# KiCad board badge.kicad_pcb
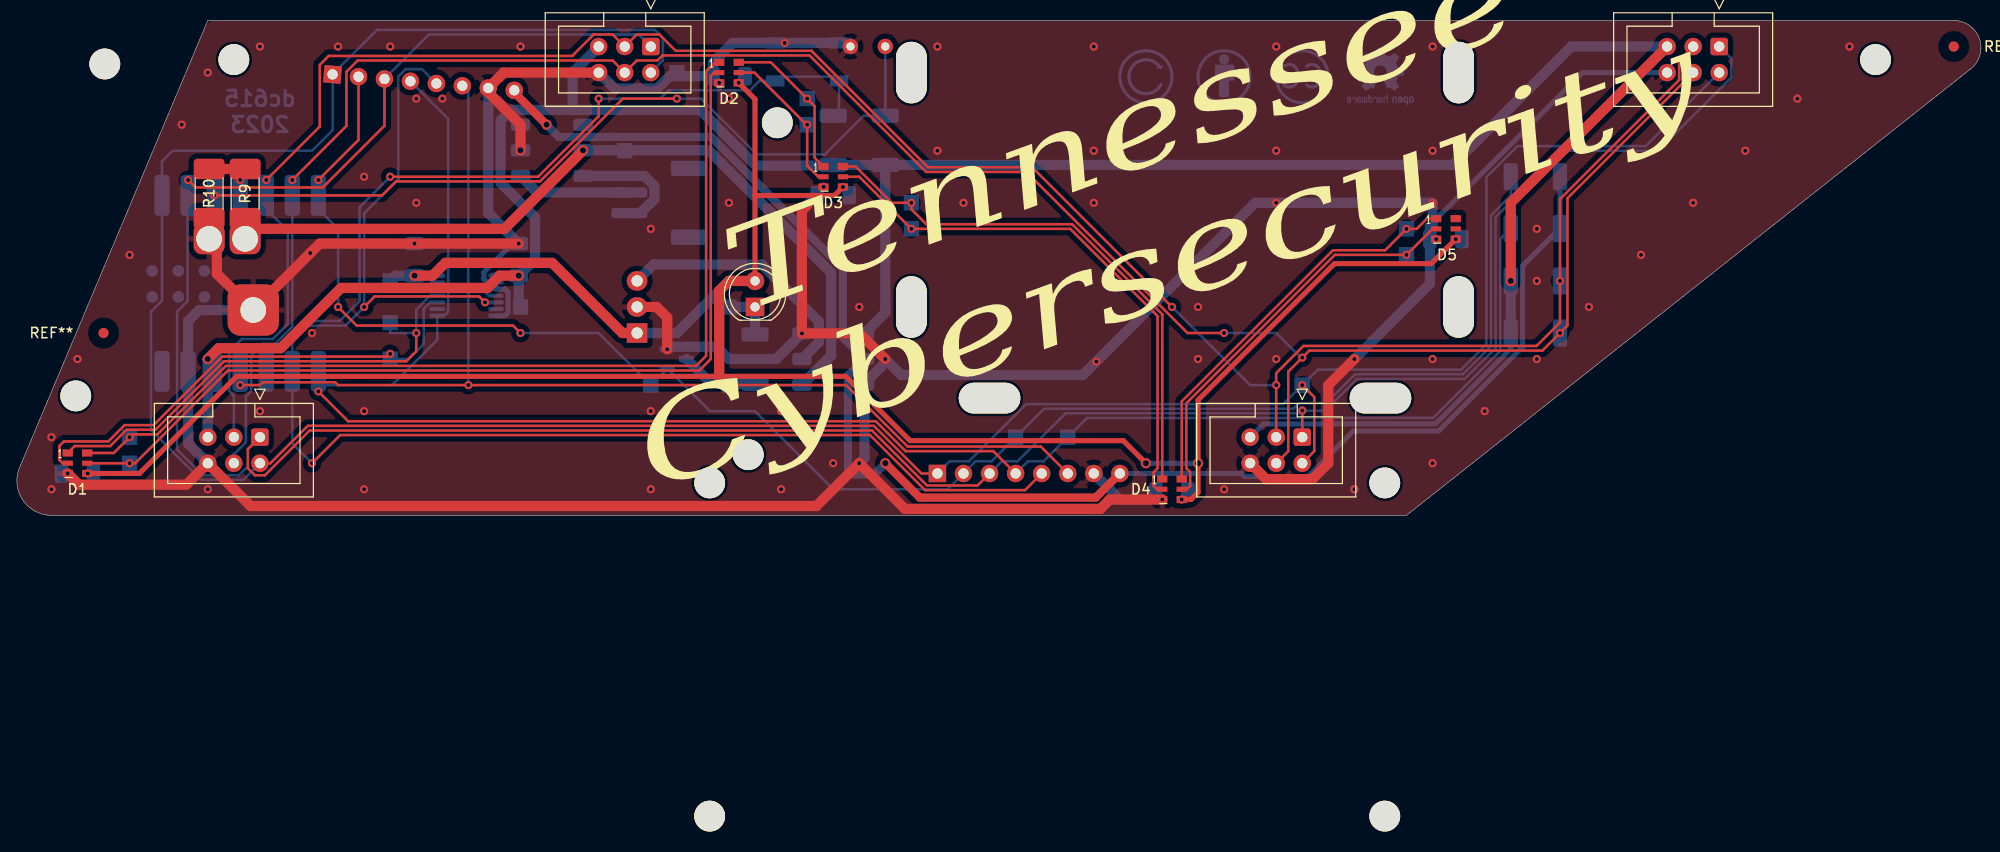
[diagram p0: board, top side]
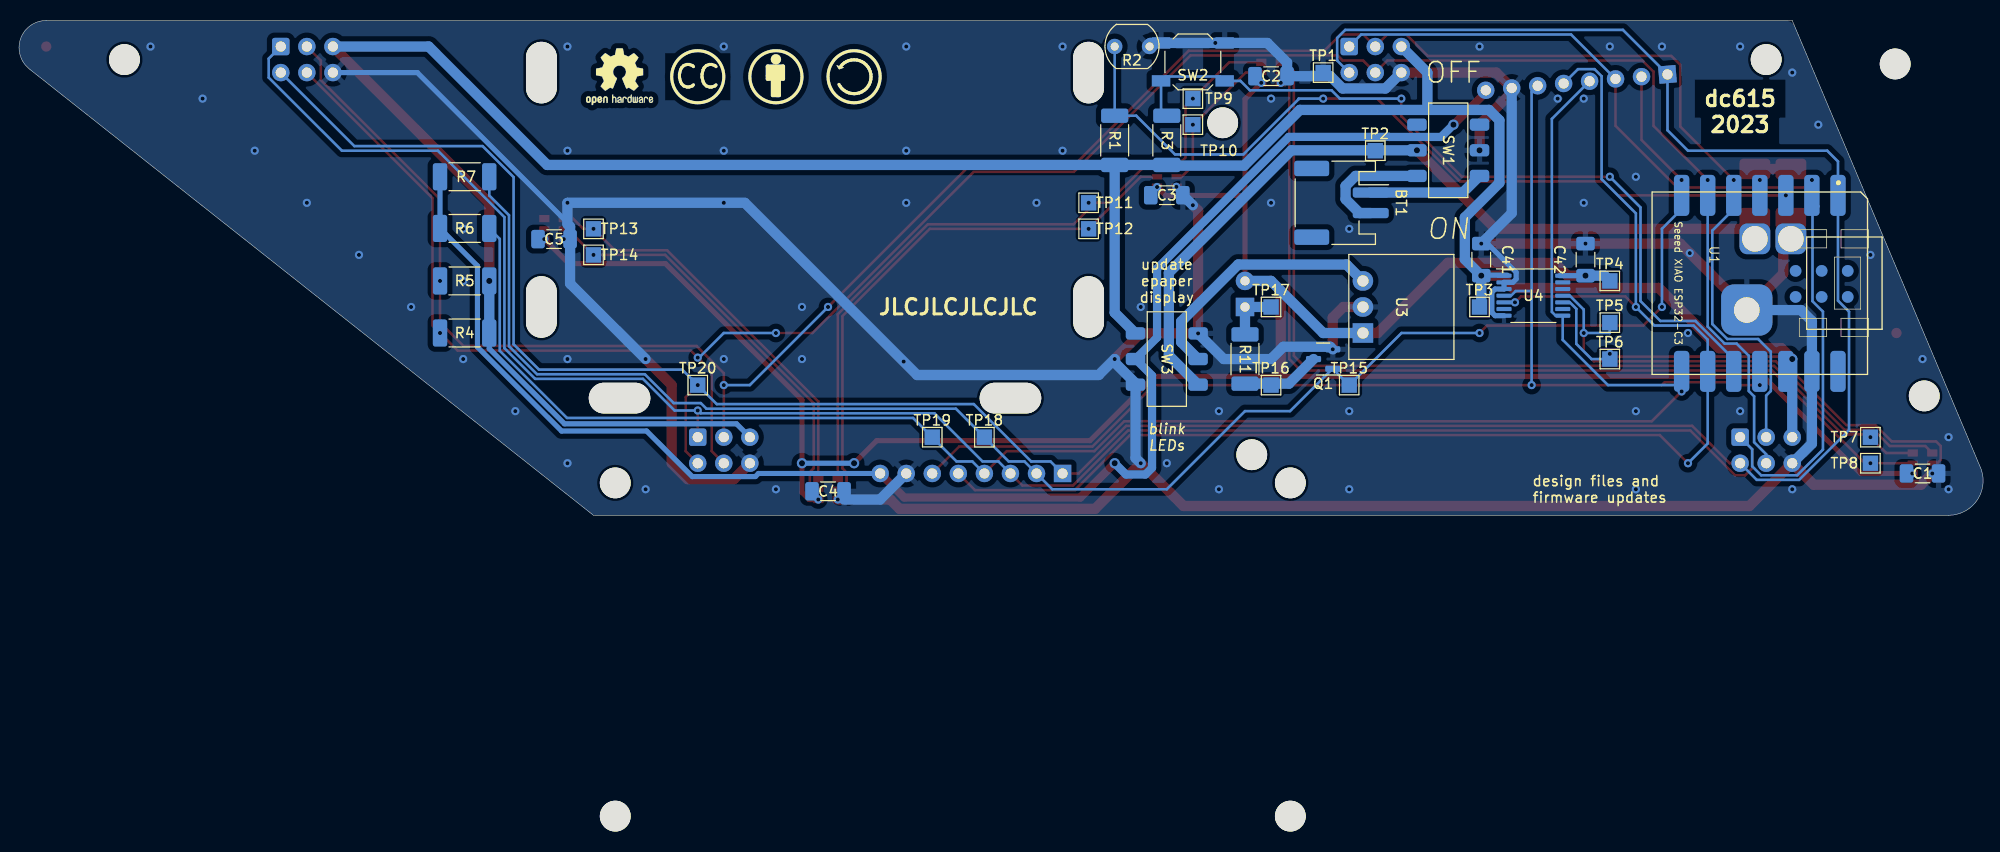
[diagram p1: board, bottom side, seen from below]

Outline 191.44 x 48.26 mm; copper layers: Top, Bottom. Coordinates in mm from the lower left corner of the outline.
Outline path: 3.37,0 arc(0.5,1.6) 0.36,4.88 18.61,48.26 188.79,48.26 arc(191.3,46.47) 190.41,43.52 135.45,0 3.37,0
Stack: Top 0.035mm / dielectric 1.51mm FR4 er 4.5 / Bottom 0.035mm

## Placement (name value [footprint] x y rotation side)
bb1  -  [MountingHole_2.2mm_M2_DIN965_Pad]  140.53 43.18 0 top
bb2  -  [MountingHole_2.2mm_M2_DIN965_Pad]  140.53 20.32 0 top
bb3  -  [MountingHole_2.2mm_M2_DIN965_Pad]  132.91 11.43 90 top
bb4  -  [MountingHole_2.2mm_M2_DIN965_Pad]  94.81 11.43 90 top
bb5  -  [MountingHole_2.2mm_M2_DIN965_Pad]  87.19 20.32 0 top
bb6  -  [MountingHole_2.2mm_M2_DIN965_Pad]  87.19 43.18 0 top
BT1  Battery  [JST_PH_S2B-PH-SM4-TB_1x02-1MP_P2.00mm_Horizontal]  62.54 30.48 270 bottom
C1  1u  [C_1206_3216Metric_Pad1.33x1.80mm_HandSolder]  5.91 4.08 180 bottom
C2  1u  [C_1206_3216Metric_Pad1.33x1.80mm_HandSolder]  69.41 42.83 180 bottom
C3  1u  [C_1206_3216Metric_Pad1.33x1.80mm_HandSolder]  79.57 31.22 180 bottom
C4  1u  [C_1206_3216Metric_Pad1.33x1.80mm_HandSolder]  112.59 2.34 180 bottom
C5  1u  [C_1206_3216Metric_Pad1.33x1.80mm_HandSolder]  139.29 26.94 180 bottom
C41  1u  [C_1206_3216Metric_Pad1.33x1.80mm_HandSolder]  48.92 24.94 90 bottom
C42  1u  [C_1206_3216Metric_Pad1.33x1.80mm_HandSolder]  38.76 24.94 90 bottom
CC  -  [Symbol_CreativeCommons_Silkscreen_Type2_Small]  125.29 42.78 180 bottom
CC#2  -  [Symbol_CreativeCommons_CopperTop_Type2_Small]  125.29 42.78 180 bottom
CC-BY  -  [Symbol_CC-Attribution_CopperTop_Small]  117.67 42.78 180 bottom
CC-BY#2  -  [Symbol_CC-Attribution_Silkscreen_Small]  117.67 42.78 180 bottom
CC-SA  -  [Symbol_CC-ShareAlike_Silkscreen_Small]  110.05 42.78 180 bottom
CC-SA#2  -  [Symbol_CC-ShareAlike_CopperTop_Small]  110.05 42.78 180 bottom
D1  APA102  [LED-APA102-2020]  5.91 5.08 0 top
D2  APA102  [LED-APA102-2020]  69.41 43.18 0 top
D3  APA102  [LED-APA102-2020]  79.57 33.02 0 top
D4  APA102  [LED-APA102-2020]  112.59 2.54 0 top
D5  APA102  [LED-APA102-2020]  139.29 27.94 0 top
D6  LED  [LED_D5.0mm]  71.95 20.32 90 top
hole1  -  [unnamed]  21.15 44.45 0 top
hole2  -  [unnamed]  181.17 44.45 0 top
J1  SAO V.1.69bis master  [IDC-Header_2x03_P2.54mm_Vertical]  165.93 45.72 270 top
J1#2  SAO V.1.69bis master  [IDC-Header_2x03_P2.54mm_Vertical]  61.79 45.72 270 top
J1#3  SAO V.1.69bis master  [IDC-Header_2x03_P2.54mm_Vertical]  125.29 7.62 270 top
J1#4  SAO V.1.69bis master  [IDC-Header_2x03_P2.54mm_Vertical]  23.69 7.62 270 top
OSHW  -  [OSHW-Logo2_7.3x6mm_SilkScreen]  132.91 42.78 180 bottom
OSHW1  -  [OSHW-Logo2_7.3x6mm_Copper]  132.91 42.78 180 bottom
Q1  BSS138  [SOT-23]  64.33 15.24 0 bottom
R1  10k  [R_2010_5025Metric_Pad1.40x2.65mm_HandSolder#2]  84.65 36.57 90 bottom
R2  LDR07  [R_LDR_5.1x4.3mm_P3.4mm_Vertical]  84.65 45.73 180 bottom
R3  10k  [R_2010_5025Metric_Pad1.40x2.65mm_HandSolder#2]  79.57 36.57 90 bottom
R4  10k  [R_2010_5025Metric_Pad1.40x2.65mm_HandSolder#2]  148.01 17.78 0 bottom
R5  10k  [R_2010_5025Metric_Pad1.40x2.65mm_HandSolder#2]  148.01 22.86 0 bottom
R6  10k  [R_2010_5025Metric_Pad1.40x2.65mm_HandSolder#2]  148.01 27.98 180 bottom
R7  10k  [R_2010_5025Metric_Pad1.40x2.65mm_HandSolder#2]  148.01 33.02 180 bottom
R9  100k  [R_2010_5025Metric_Pad1.40x2.65mm_HandSolder]  22.25 31.38 90 top
R10  100k  [R_2010_5025Metric_Pad1.40x2.65mm_HandSolder]  18.74 31.38 270 top
R11  150  [R_2010_5025Metric_Pad1.40x2.65mm_HandSolder#2]  71.95 15.24 270 bottom
REF**  -  [Fiducial_1mm_Mask3mm]  188.79 45.72 0 top
REF**#2  -  [Fiducial_1mm_Mask3mm]  8.45 17.78 0 top
SW1  power  [MSS-22D18G2 hand-solderable]  52.14 35.6 90 bottom
SW2  SW_Push  [SW_SPST_SKQG_WithoutStem]  77.03 44.22 180 bottom
SW3  update epaper  [MSS-22D18G2 hand-solderable]  79.57 15.24 270 bottom
TP1  0V  [TestPoint_Pad_1.5x1.5mm]  64.33 43.18 180 bottom
TP2  3.8V  [TestPoint_Pad_1.5x1.5mm]  59.25 35.56 180 bottom
TP3  3.3V  [TestPoint_Pad_1.5x1.5mm]  49.09 20.32 180 bottom
TP4  5V  [TestPoint_Pad_1.5x1.5mm]  36.39 22.86 180 bottom
TP5  D1in  [TestPoint_Pad_1.5x1.5mm]  36.39 18.79 180 bottom
TP6  D1clk  [TestPoint_Pad_1.5x1.5mm]  36.39 15.24 180 bottom
TP7  D2in  [TestPoint_Pad_1.5x1.5mm]  10.99 7.62 180 bottom
TP8  D2clk  [TestPoint_Pad_1.5x1.5mm]  10.99 5.08 180 bottom
TP9  D3in  [TestPoint_Pad_1.5x1.5mm]  77.03 40.64 180 bottom
TP10  D3clk  [TestPoint_Pad_1.5x1.5mm]  77.03 38.1 180 bottom
TP11  D4in  [TestPoint_Pad_1.5x1.5mm]  87.19 30.48 180 bottom
TP12  D4clk  [TestPoint_Pad_1.5x1.5mm]  87.19 27.94 180 bottom
TP13  D5in  [TestPoint_Pad_1.5x1.5mm]  135.45 27.94 180 bottom
TP14  D5clk  [TestPoint_Pad_1.5x1.5mm]  135.45 25.4 180 bottom
TP15  Qin  [TestPoint_Pad_1.5x1.5mm]  61.79 12.7 180 bottom
TP16  Qout  [TestPoint_Pad_1.5x1.5mm]  69.41 12.7 180 bottom
TP17  LEDin  [TestPoint_Pad_1.5x1.5mm]  69.41 20.32 180 bottom
TP18  /RST  [TestPoint_Pad_1.5x1.5mm]  97.35 7.62 180 bottom
TP19  /CS  [TestPoint_Pad_1.5x1.5mm]  102.43 7.62 180 bottom
TP20  BUSY  [TestPoint_Pad_1.5x1.5mm]  125.29 12.7 180 bottom
U1  Seeed XIAO ESP32-C3  [Seeed XIAO ESP32-C3 hand-solderable]  32.27 31.54 270 bottom
U2  -  [MH-ET_epaper_ 2.13]  89.73 4.08 0 top
U2#2  -  [MH-ET_epaper_ 2.13]  30.77 43 355 top
U3  5V boost converter  [boost converter module]  60.45 17.78 270 bottom
U4  TXS0104EPWR  [TSSOP-14_4.4x5mm_P0.65mm]  43.84 21.42 180 bottom

## Library data of the parts
BT1 = -: Description: Multiple-cell battery
C1-C5 C41 C42 = -: Description: Unpolarized capacitor
D1-D5 = -: Description: RGB LED with integrated controller
D6 = -: Description: Light emitting diode
Q1 = -: Description: N-MOSFET transistor, gate/source/drain
R1 R3-R7 R9-R11 = -: Description: Resistor
R2 = -: Description: light dependent resistor
SW1 SW3 = -: Description: Switch, dual pole double throw, separate symbols
SW2 = -: Description: Push button switch, generic, two pins
TP1-TP20 = -: Description: test point (alternative probe-style design)
U2 U2#2 = -: Description: MH-ET LIVE 2.13 Inch E-paper Module
U4 = -: Description: Bidirectional  level-shifting voltage translator, TSSOP-14

## Footprints (pads in the part's own frame, mm; a bottom-side part is the same pattern mirrored in y, then rotated)
boost converter module
  rect 1.905x2 hole 1.1: 1(0,0)
  oval 1.905x2 hole 1.1: 2(-2.54,0) 3(-5.08,0)
C_1206_3216Metric_Pad1.33x1.80mm_HandSolder
  rrect 1.325x1.8 smd: 1(-1.562,0) 2(1.562,0)
Fiducial_1mm_Mask3mm
  round 1 smd: (0,0)
IDC-Header_2x03_P2.54mm_Vertical
  rrect 1.7x1.7 hole 1: 1(0,0)
  round 1.7 hole 1: 2(2.54,0) 3(0,-2.54) 4(2.54,-2.54) 5(0,-5.08) 6(2.54,-5.08)
JST_PH_S2B-PH-SM4-TB_1x02-1MP_P2.00mm_Horizontal
  rrect 1x3.5 smd: 1(-1,2.85) 2(1,2.85)
  rrect 1.5x3.4 smd: MP(-3.35,-2.9) MP(3.35,-2.9)
LED-APA102-2020
  rect 1x0.7 smd: 1(-0.95,1) 3(-0.95,-1) 4(0.95,-1) 6(0.95,1)
  rect 1x0.5 smd: 2(-0.95,0) 5(0.95,0)
LED_D5.0mm
  rect 1.8x1.8 hole 0.9: 1(0,0)
  round 1.8 hole 0.9: 2(2.54,0)
MH-ET_epaper_ 2.13
  round 3 hole 3 unplated: (-22.2,-0.92) (-22.2,-33.42) (43.6,-0.92) (43.6,-33.42)
  rect 1.7x1.7 hole 1: 1(0,0)
  round 1.7 hole 1: 2(2.54,0) 3(5.08,0) 4(7.62,0) 5(10.16,0) 6(12.7,0) 7(15.24,0) 8(17.78,0)
MountingHole_2.2mm_M2_DIN965_Pad
  oval 3x6 hole 3x6 unplated: (0,0)
MSS-22D18G2 hand-solderable
  rrect 1.2x1.9 smd: 1(-2.5,3.05) 2(0,3.05) 3(2.5,3.05) 4(-2.5,-3.05) 5(0,-3.05) 6(2.5,-3.05)
R_2010_5025Metric_Pad1.40x2.65mm_HandSolder
  rrect 2x3 smd: 1(-2.4,0) 2(2.4,0)
R_2010_5025Metric_Pad1.40x2.65mm_HandSolder#2
  rrect 1.4x2.65 smd: 1(-2.4,0) 2(2.4,0)
R_LDR_5.1x4.3mm_P3.4mm_Vertical
  round 1.5 hole 0.8: 1(0,0) 2(3.4,0)
Seeed XIAO ESP32-C3 hand-solderable
  rrect 4x1.5 smd: 1(0.333,18.118) 2(0.333,15.578) 3(0.333,13.038) 4(0.333,10.498) 5(0.333,7.958) 6(0.333,5.418) 7(0.333,2.878) 8(17.498,2.878) 9(17.498,5.418) 10(17.498,7.958) 11(17.498,10.498) 12(17.498,13.038) 13(17.498,15.578) 14(17.498,18.118)
  rrect 3x3 hole 2.5: 15(4.572,10.019) 16(4.572,13.529)
  round 1.143 smd: 17(7.699,19.068) 18(10.239,19.068) 19(7.699,16.528) 20(10.239,16.528) 21(7.699,13.988) 22(10.239,13.988)
  rrect 5x5 hole 2.5: GND(11.517,9.228)
SOT-23
  rrect 1.475x0.6 smd: 1(-0.938,0.95) 2(-0.938,-0.95) 3(0.938,0)
SW_SPST_SKQG_WithoutStem
  rect 1.8x1.1 smd: 1(-3.1,1.85) 1(3.1,1.85) 2(-3.1,-1.85) 2(3.1,-1.85)
TestPoint_Pad_1.5x1.5mm
  rect 1.5x1.5 smd: 1(0,0)
TSSOP-14_4.4x5mm_P0.65mm
  rrect 1.475x0.4 smd: 1(-2.862,1.95) 2(-2.862,1.3) 3(-2.862,0.65) 4(-2.862,0) 5(-2.862,-0.65) 6(-2.862,-1.3) 7(-2.862,-1.95) 8(2.862,-1.95) 9(2.862,-1.3) 10(2.862,-0.65) 11(2.862,0) 12(2.862,0.65) 13(2.862,1.3) 14(2.862,1.95)
unnamed
  round 3 hole 3 unplated: (0,0)

## Nets
+3V3: C41.1 J1.5 J1#2.5 J1#3.5 J1#4.5 R1.1 R3.1 R4.1 R5.1 SW3.4 TP3.1 U1.12 U4.1
+5V: C1.1 C2.1 C3.1 C4.1 C5.1 C42.1 D1.4 D2.4 D3.4 D4.4 D5.4 D6.2 TP4.1 U3.1 U4.14
GND: C1.2 C2.2 C3.2 C4.2 C5.2 C41.2 C42.2 D1.3 D2.3 D3.3 D4.3 D5.3 J1.6 J1#2.6 J1#3.6 J1#4.6 Q1.2 R2.2 R10.2 SW1.5 SW2.1 SW3.1 SW3.6 TP1.1 U1.13 U1.16 U1.GND U2.7 U2#2.7 U3.2 U4.2 U4.3 U4.7
/BAT+: R9.1 SW1.2 SW3.3 TP2.1 U1.15
/CS/OE: R6.2 TP19.1 U1.8 U2.4 U2#2.4 U4.8
/GPIO1/DC: J1.1 J1#2.1 J1#3.1 J1#4.1 U1.2 U2.3 U2#2.3
/GPIO2/BUSY: J1.2 J1#2.2 J1#3.2 J1#4.2 TP20.1 U1.1 U2.1 U2#2.1
/ls_MOSI: D1.1 TP5.1 U4.11
/ls_SCLK: D1.2 TP6.1 U4.10
/MISO/Vbutton1: R3.2 SW2.2 U1.10
/MOSI: U1.11 U2.6 U2#2.6 U4.4
/RESET/LED: Q1.1 R7.2 TP15.1 TP18.1 U1.7 U2.2 U2#2.2
/SCL: J1.4 J1#2.4 J1#3.4 J1#4.4 R4.2 U1.6
/SCLK: U1.9 U2.5 U2#2.5 U4.5
/SDA: J1.3 J1#2.3 J1#3.3 J1#4.3 R5.2 U1.5
/sw_+3V3: R6.1 R7.1 SW3.5 U2.8 U2#2.8
/sw_VBAT+: SW3.2 U3.3
/Vdark: R1.2 R2.1 U1.3
/Vmeasure: R9.2 R10.1 U1.4
Net-(BT1-+): BT1.2 SW1.1
Net-(BT1--): BT1.1 SW1.4
Net-(D1-CO): D1.5 D2.2 TP8.1
Net-(D1-DO): D1.6 D2.1 TP7.1
Net-(D2-CO): D2.5 D3.2 TP10.1
Net-(D2-DO): D2.6 D3.1 TP9.1
Net-(D3-CO): D3.5 D4.2 TP12.1
Net-(D3-DO): D3.6 D4.1 TP11.1
Net-(D4-CO): D4.5 D5.2 TP14.1
Net-(D4-DO): D4.6 D5.1 TP13.1
Net-(D6-K): D6.1 R11.1 TP17.1
Net-(Q1-D): Q1.3 R11.2 TP16.1

Pads without a net: BT1 MP; D5 5 6; SW1 3 6; U1 14 17 18 19 20 21 22; U4 6 9 12 13

## Via types
v1: diameter 1, hole 0.6, Top to Bottom, 10 vias
v2: diameter 0.8, hole 0.4, Top to Bottom, 113 vias

## Routing (per net, layer and track width the routed paths; a pad name or vN(x,y) marks a point on that pad's centre or on a via; arc(x,y) is an arc through that point)
+3V3: length 274.7
  Top w1: v1(18.61,15.24) 19.67,16.3 25.73,16.3 31.61,22.18 45.86,22.18 47.06,23.38 v1(48.92,23.38) ; v1(145.61,22.86) 145.61,30.48 J1.5
  Bottom w0.5: 48.87,23.42 46.38,23.42 ; J1#3.5 121.51,8.92 138.27,8.92 145.61,16.26 R4.1
  Bottom w1: 54.17,39.54 54.17,43.18 J1#2.5 ; v1(18.61,15.24) J1#4.5 ; R1.1 R3.1 79.63,34.11 72.03,34.11 66.6,39.54 48.16,39.54 47.15,38.53 47.15,32.42 50.52,29.05 50.52,24.98 v1(48.92,23.38) 48.92,20.49 TP3.1 ; R1.1 84.65,19.77 SW3.4 ; R1.1 139.96,34.17 151.51,45.72 J1.5 ; v1(145.61,22.86) R4.1
+5V: length 243.1
  Top w0.5: v2(6.91,4.08) 11.95,4.08 21.42,13.55 80.79,13.55 87.06,7.28 107.85,7.28 v1(110.05,5.08) ; v2(80.52,32.02) 79.69,31.19 77.43,31.19 77.42,31.19 71.95,31.19 71.95,31.19 ; v2(70.36,42.18) 71.95,40.59 D6.2 ; v2(113.54,1.54) 114.43,1.54 115.13,2.23 115.13,11.25 128.43,24.55 137.86,24.55 v2(140.24,26.94)
  Top w1: v1(38.76,23.38) 40.52,23.38 41.76,24.62 52.18,24.62 59.02,17.78 U3.1 ; D6.2 69.41,22.86 68.46,21.91 68.46,13.53
  Bottom w0.5: v1(38.76,23.38) 41.3,23.38 ; v1(110.05,5.08) v1(115.13,5.08)
  Bottom w1: U3.1 64.33,17.78 69.41,22.86 D6.2 ; v1(38.76,23.38) 36.9,23.38 TP4.1
GND: length 441.6
  Top w0.5: 17.62,28.08 U1.16
  Top w1: J1#3.6 121.76,3.53 126.28,3.53 127.83,5.08 127.83,12.7 v2(130.37,15.24) ; v2(111.64,1.54) 106.52,1.54 105.61,0.63 86.56,0.63 v2(82.11,5.08) 77.93,0.91 22.78,0.91 J1#4.6 16.51,2.98 6.06,2.98 v2(4.96,4.08) ; v2(63.39,16.19) 63.39,19.29 62.36,20.32 U3.2 ; J1#2.6 47.46,43.18 U2#2.7 45.95,41.24 49.09,38.1 v1(49.09,35.6) ; 19.49,26.97 19.49,23.57 U1.GND v2(28.59,25.58) 29.52,26.5 v2(38.76,26.5) v2(48.92,26.5) ; v2(84.65,15.24) 82.15,17.74 v2(76.52,17.74) 76.52,29.73 v2(77.03,30.24)
  Bottom w0.5: v2(138.34,26.94) 137.99,27.29 137.99,28.55 152.62,43.18 J1.6 ; 48.32,26.5 45.51,23.7 45.51,23.04 45.84,22.72 U4.2 U4.3 47.57,22.07 47.89,21.75 47.89,19.79 47.57,19.47 U4.7 ; v2(78.64,32.04) 78.64,31.85 C3.2
  Bottom w1: J1#4.6 16.69,7 U1.13 ; U2#2.7 45.95,29.47 v2(48.92,26.5) ; v2(76.52,17.74) 74.02,15.24 69.41,15.24 68.21,16.44 63.64,16.44 v2(63.39,16.19) ; U1.GND 17.76,20.02 16.69,18.95 16.69,14.54 ; 111.03,1.54 107.51,1.54 U2.7 ; v2(130.37,15.24) 137.73,22.6 C5.2 137.73,28.15 137.99,28.41 137.99,30.46 137.97,30.48 120.7,30.48 103.91,13.68 86.2,13.68 v2(84.65,15.24) 84.65,14.91 82.62,12.88 82.62,5.59 v2(82.11,5.08) ; J1#2.6 58.26,41.63 62.43,41.63 63.63,42.83 C2.2 67.85,44.16 69.76,46.07 SW2.1 v2(74.84,46.07) SW2.1 81.19,46.07 81.39,45.87 ; v2(77.03,30.24) C3.2
  vias: v2(3.37,7.62) v2(3.37,2.54) v2(5.91,15.24) v2(10.99,25.4) v2(16.07,38.1) v2(18.61,43.18) v2(18.61,2.54) v2(23.69,45.72) v2(23.69,10.16) v2(28.77,17.78) v2(31.31,45.72) v2(33.85,33.02) v2(33.85,10.16) v2(33.85,2.54) v2(36.39,45.72) v2(38.93,40.64) v2(38.93,30.48) v2(41.47,40.64) v2(49.09,45.72) v2(61.79,27.94) v2(61.79,10.16) v2(61.79,2.54) v2(68.46,42.18) v2(69.41,40.64) v2(69.41,30.48) v2(74.49,10.16) v2(74.49,2.54) v2(79.57,5.08) v2(82.11,20.32) v2(89.73,45.72) v2(89.73,35.56) v2(92.27,30.48) v2(104.97,45.72) v2(104.97,35.56) v2(104.97,30.48) v2(105.22,14.99) v2(115.13,20.32) v2(115.13,15.24) v2(117.67,2.54) v2(122.75,45.72) v2(122.75,35.56) v2(122.75,30.48) v2(122.75,15.24) v2(130.37,2.54) v2(137.99,45.72) v2(137.99,35.56) v2(137.99,30.48) v2(137.99,15.24) v2(137.99,5.08) v2(143.07,10.16) v2(148.15,27.94) v2(148.15,22.86) v2(148.15,15.24) v2(153.23,20.32) v2(158.31,25.4) v2(163.39,30.48) v2(168.47,35.56) v2(173.55,40.64) v2(178.63,45.72)
/BAT+: length 75.9
  Top w1: 23.69,27.94 47.53,27.94 v1(55.19,35.6)
  Bottom w1: v1(55.19,35.6) 67.43,35.6 79.37,23.66 79.37,15.59 SW3.3
/CS/OE: length 179.1
  Top w0.25: U2.4 95.17,6.26 86.63,6.26 83.71,9.17 32.29,9.17 v2(29.39,12.08)
  Bottom w0.25: R6.2 144.58,26.96 144.58,16.04 138.04,9.5 104.3,9.5 TP19.1 100.06,5.26 98.52,5.26 U2.4 ; U1.8 v2(29.39,12.08) 30.01,12.7 36.57,12.7 40.98,17.11 U4.8 41.67,19.47 42.04,19.84 42.04,38.66 U2#2.4
/GPIO1/DC: length 274.6
  Top w0.25: v2(16.69,32.7) 17.41,31.98 29.82,31.98 35.83,37.99 U2#2.3 ; J1#4.1 22.51,6.45 22.51,4.59 23.2,3.91 24.18,3.91 28.54,8.27 83.34,8.27 88.71,2.91 93.63,2.91 U2.3 ; J1#3.1 v2(125.29,10.22)
  Bottom w0.25: U1.2 16.69,30.75 16.07,30.13 16.64,29.57 16.64,20.89 15.61,19.87 15.61,6.41 18.12,3.91 21.64,3.91 22.51,4.78 22.51,6.45 J1#4.1 ; U2.3 95.98,5.26 97.52,5.26 102.21,9.95 125.01,9.95 v2(125.29,10.22) 127.54,10.22 130.63,13.31 141.14,13.31 144.13,16.31 144.13,29.08 150.61,35.56 159.97,35.56 167.1,42.69 167.1,44.55 J1.1 ; J1#2.1 60.61,46.9 40.16,46.9 U2#2.3
/GPIO2/BUSY: length 282
  Top w0.25: U2.1 88.17,4.08 83.53,8.72 28.36,8.72 24.71,5.08 J1#4.2 ; J1#3.2 126.46,6.26 126.46,11.53 v2(125.29,12.7)
  Bottom w0.25: U2.1 90.9,5.26 92.76,5.26 92.77,5.24 98.38,10.85 123.43,10.85 v2(125.29,12.7) 126.8,14.21 140.77,14.21 143.23,16.68 143.23,32.98 146.26,36.01 158.76,36.01 J1.2 ; J1#2.2 62.96,44.36 62.96,46.56 62.18,47.35 35.11,47.35 U2#2.1 30.77,37.56 28.77,35.56 15.19,35.56 14.15,34.52 14.15,30.7 ; J1#4.2 22.06,3.46 17.94,3.46 13.07,8.32 13.07,19.87 14.15,20.94 U1.1
/ls_MOSI: length 48.3
  Top w0.25: v2(38.93,17.78) 38.93,16 37.96,15.03 20.2,15.03 13.52,8.35 10.69,8.35 9.1,6.76 5.63,6.76 D1.1
  Bottom w0.25: U4.11 40.29,21.42 38.93,20.06 v2(38.93,17.78) 36.39,17.78 TP5.1
/ls_SCLK: length 47.2
  Top w0.25: 4.81,5.08 4.46,5.08 4.13,5.41 4.13,6.76 4.58,7.21 8.91,7.21 10.5,8.8 13.33,8.8 20.01,15.48 36.11,15.48 v2(36.39,15.75)
  Bottom w0.25: U4.10 40.29,20.77 39.65,20.14 39.65,16.72 38.17,15.24 36.9,15.24 v2(36.39,15.75)
/MISO/Vbutton1: length 76.6
  Top w0.25: v2(56.71,40.64) 56.71,38.92 50.81,33.02 v2(36.39,33.02)
  Bottom w0.25: v2(36.39,33.02) 33.4,30.03 33.4,20.9 31.46,18.96 28.04,18.96 24.31,15.22 ; v2(56.71,40.64) 62.7,40.64 63.51,41.46 71.47,41.46 72.39,42.37 SW2.2 74.35,42.8 79.7,42.8 SW2.2 80.13,39.53
/MOSI: length 116.5
  Top w0.25: U2.6 99.8,6.71 86.82,6.71 80.82,12.7 v2(44.01,12.7) 31.31,12.7 31.03,12.98 23.96,12.98 23.69,12.7 v2(21.77,12.7)
  Bottom w0.25: 46.01,21.42 45.56,21.87 44.01,21.87 44.01,21.42 ; 44.01,21.42 v2(44.01,12.7) ; 44.01,21.42 44.01,41.31 U2#2.6
/RESET/LED: length 167
  Top w0.25: v2(29.39,32.7) 33.3,36.61 U2#2.2 ; v2(49.09,17.78) 48.36,18.51 33.12,18.51 v2(31.31,20.32)
  Bottom w0.25: 63.43,14.29 67.56,10.16 71.95,10.16 79.57,2.54 90.73,2.54 U2.2 93.44,5.26 94.98,5.26 100.12,10.4 124.44,10.4 124.99,10.94 127.63,10.94 130.44,13.76 140.95,13.76 143.68,16.49 143.68,29.27 145.61,31.19 R7.2 ; 29.39,30.7 29.39,29.86 31.31,27.94 v2(31.31,20.32) ; Q1.1 61.8,12.7 TP15.1 61.77,12.7 56.69,17.78 v2(49.09,17.78)
/SCL: length 217.2
  Top w0.25: v2(26.85,32.7) 32.12,37.98 32.12,43.27 33.21,44.36 58.07,44.36 J1#2.4 60.42,44.36 62.44,44.36 62.94,44.86 77.26,44.86 88.62,33.5 98.39,33.5 114.1,17.78 v2(117.67,17.78) ; J1#3.4 123.92,6.26 123.92,14.01 v2(125.29,15.38) 125.97,16.07 148.69,16.07 v2(150.41,17.78) 151.13,18.51 151.13,30.93 J1.4
  Bottom w0.25: v2(117.67,17.78) 122.75,17.78 125.15,15.38 v2(125.29,15.38) ; J1#4.4 21.15,5.96 22.32,7.13 22.32,11.6 22.84,12.12 22.84,15.56 24.03,16.75 25.19,16.75 26.85,18.4 U1.6
/SCLK: length 138.8
  Top w0.25: U2.5 98.26,2.46 88.52,2.46 83.15,7.82 31.51,7.82 v2(28.77,5.08) ; v2(33.85,20.32) 34.88,21.35 45.05,21.35 v2(45.63,20.77)
  Bottom w0.25: v2(45.63,20.77) U4.5 ; U1.9 26.85,17.13 28.23,18.51 32.03,18.51 v2(33.85,20.32) 33.85,29.45 37.19,32.79 37.19,42.83 37.87,43.51 39.49,43.51 U2#2.5 ; 26.85,14.54 26.85,7 v2(28.77,5.08)
/SDA: length 220
  Top w0.25: J1.3 162.02,44.36 162.02,42.45 150.41,30.84 v2(150.41,22.86) 150.41,18.81 148.12,16.52 125.4,16.52 122.75,13.87 v2(122.75,12.7) J1#3.3 ; v2(112.59,20.32) 98.96,33.95 88.8,33.95 77.44,45.31 64.22,45.31 62.63,46.9 60.42,46.9 J1#2.3 58.07,46.9 56.22,46.9 54.13,44.81 30.39,44.81 29.52,43.93 29.52,37.92 v2(24.31,32.7)
  Bottom w0.25: v2(122.75,12.7) 120.21,12.7 v2(112.59,20.32) ; J1#4.3 21.15,11.67 20.69,12.12 20.69,15.95 21.94,17.2 24.94,17.2 26.4,18.65 26.4,27.77 24.31,29.86 U1.5
/sw_+3V3: length 152.7
  Top w0.5: 48.48,41.25 U2#2.8
  Top w0.8: v1(84.65,5.08) 88,1.73 105.16,1.73 U2.8 ; v1(51.63,38.1) 48.48,41.25
  Bottom w0.5: R7.1 R6.1 146.76,24.33 146.76,16.42 138.56,8.22 130.27,8.22 125.83,3.78 119.67,3.78 119.37,4.08 U2.8
  Bottom w0.8: v1(84.65,5.08) 83.55,3.98 81.65,3.98 81.01,4.62 81.01,13.63 SW3.5 80.52,17.34 80.52,24.06 67.67,36.91 57.91,36.91 57.9,36.9 52.83,36.9 v1(51.63,38.1)
/sw_VBAT+: length 25
  Bottom w1: SW3.2 78.17,16.89 78.17,18.9 72.61,24.46 62.05,24.46 U3.3
/Vdark: length 79.9
  Top w0.25: v2(19.23,31.2) 35.6,31.2 36.96,32.57 50.99,32.57 59.06,40.64 v2(64.33,40.64)
  Bottom w0.25: R2.1 R1.2 82.55,38.97 78.77,35.2 72.11,35.2 66.72,40.58 66.72,40.64 v2(64.33,40.64)
/Vmeasure: length 4.1
  Top w0.25: v2(21.77,32.7) 21.77,33.3
  Top w1: R10.1 R9.2
Net-(BT1-+): length 11.7
  Bottom w1: SW1.1 61.17,33.1 62.14,32.12 62.14,30.84 60.79,29.48 BT1.2
Net-(BT1--): length 11.3
  Bottom w1: BT1.1 50.71,31.48 SW1.4
Net-(D1-CO): length 93.8
  Top w0.25: 68.56,43.18 67.96,43.18 67.63,42.86 67.63,15.24 66.52,14.12 20.57,14.12 11.52,5.08 v2(10.99,5.08) 6.76,5.08
Net-(D1-DO): length 93.6
  Top w0.25: D2.1 68.06,44.18 67.18,43.31 67.18,15.56 66.2,14.58 20.38,14.58 13.7,7.9 11.26,7.9 v2(10.99,7.62) 9.45,6.08 D1.6
Net-(D2-CO): length 14.8
  Top w0.25: D3.2 78.12,33.02 77.03,34.11 v2(77.03,38.1) 76.97,38.1 71.89,43.18 D2.5
Net-(D2-DO): length 15.4
  Top w0.25: D2.6 73.49,44.18 v2(77.03,40.64) 77.75,39.92 77.75,34.89 D3.1
Net-(D3-CO): length 54.2
  Top w0.25: 111.74,2.54 111.14,2.54 110.77,2.91 110.77,4.18 111.19,4.59 111.19,19.42 102.67,27.94 v2(87.19,27.94) 82.11,33.02 80.42,33.02
Net-(D3-DO): length 53.5
  Top w0.25: D4.1 111.64,19.61 102.86,28.39 88.64,28.39 87.19,29.85 v2(87.19,30.48) 85.29,30.48 81.75,34.02 D3.6
Net-(D4-CO): length 40.8
  Top w0.25: 113.44,2.54 114.04,2.54 114.36,2.87 114.36,4.22 113.99,4.59 113.99,10.92 128.47,25.4 v2(135.45,25.4) 137.99,27.94 138.44,27.94
Net-(D4-DO): length 39.8
  Top w0.25: D4.6 113.54,11.11 128.28,25.85 133.36,25.85 v2(135.45,27.94) 136.45,27.94 137.44,28.94 D5.1
Net-(D6-K): length 5.2
  Bottom w1: R11.1 D6.1 TP17.1
Net-(Q1-D): length 7.7
  Bottom w1: Q1.3 67.67,12.84 R11.2

## Copper pours and planes (outline as drawn; the poured copper is in the pictures)
GND on Top, Bottom: 196.41,48.26 135.45,0 -1.71,0 18.61,48.26

## Text on the board
Bottom: dc615 | 2023
B.Silkscreen: design files and / firmware updates | update / epaper / display | blink / LEDs | dc615 | 2023 | JLCJLCJLCJLC | OFF | ON
F.Silkscreen: Tennessee / Cybersecurity
